# Altium PCB CRD25DA12N-FMC V1.1 (07-2023).PcbDoc (part 7 of 7)
Units mil, origin at the board's own origin, x right, y up, seen from the top; angles counter-clockwise.
Board outline 8000 x 8000 mil, 6 copper layers (Top Layer, Layer 2, Layer 3, Layer 4, Layer 5, Bottom Layer), stack 91 mil thick; 542 components, 315 nets, 1585 pads, 558 vias.
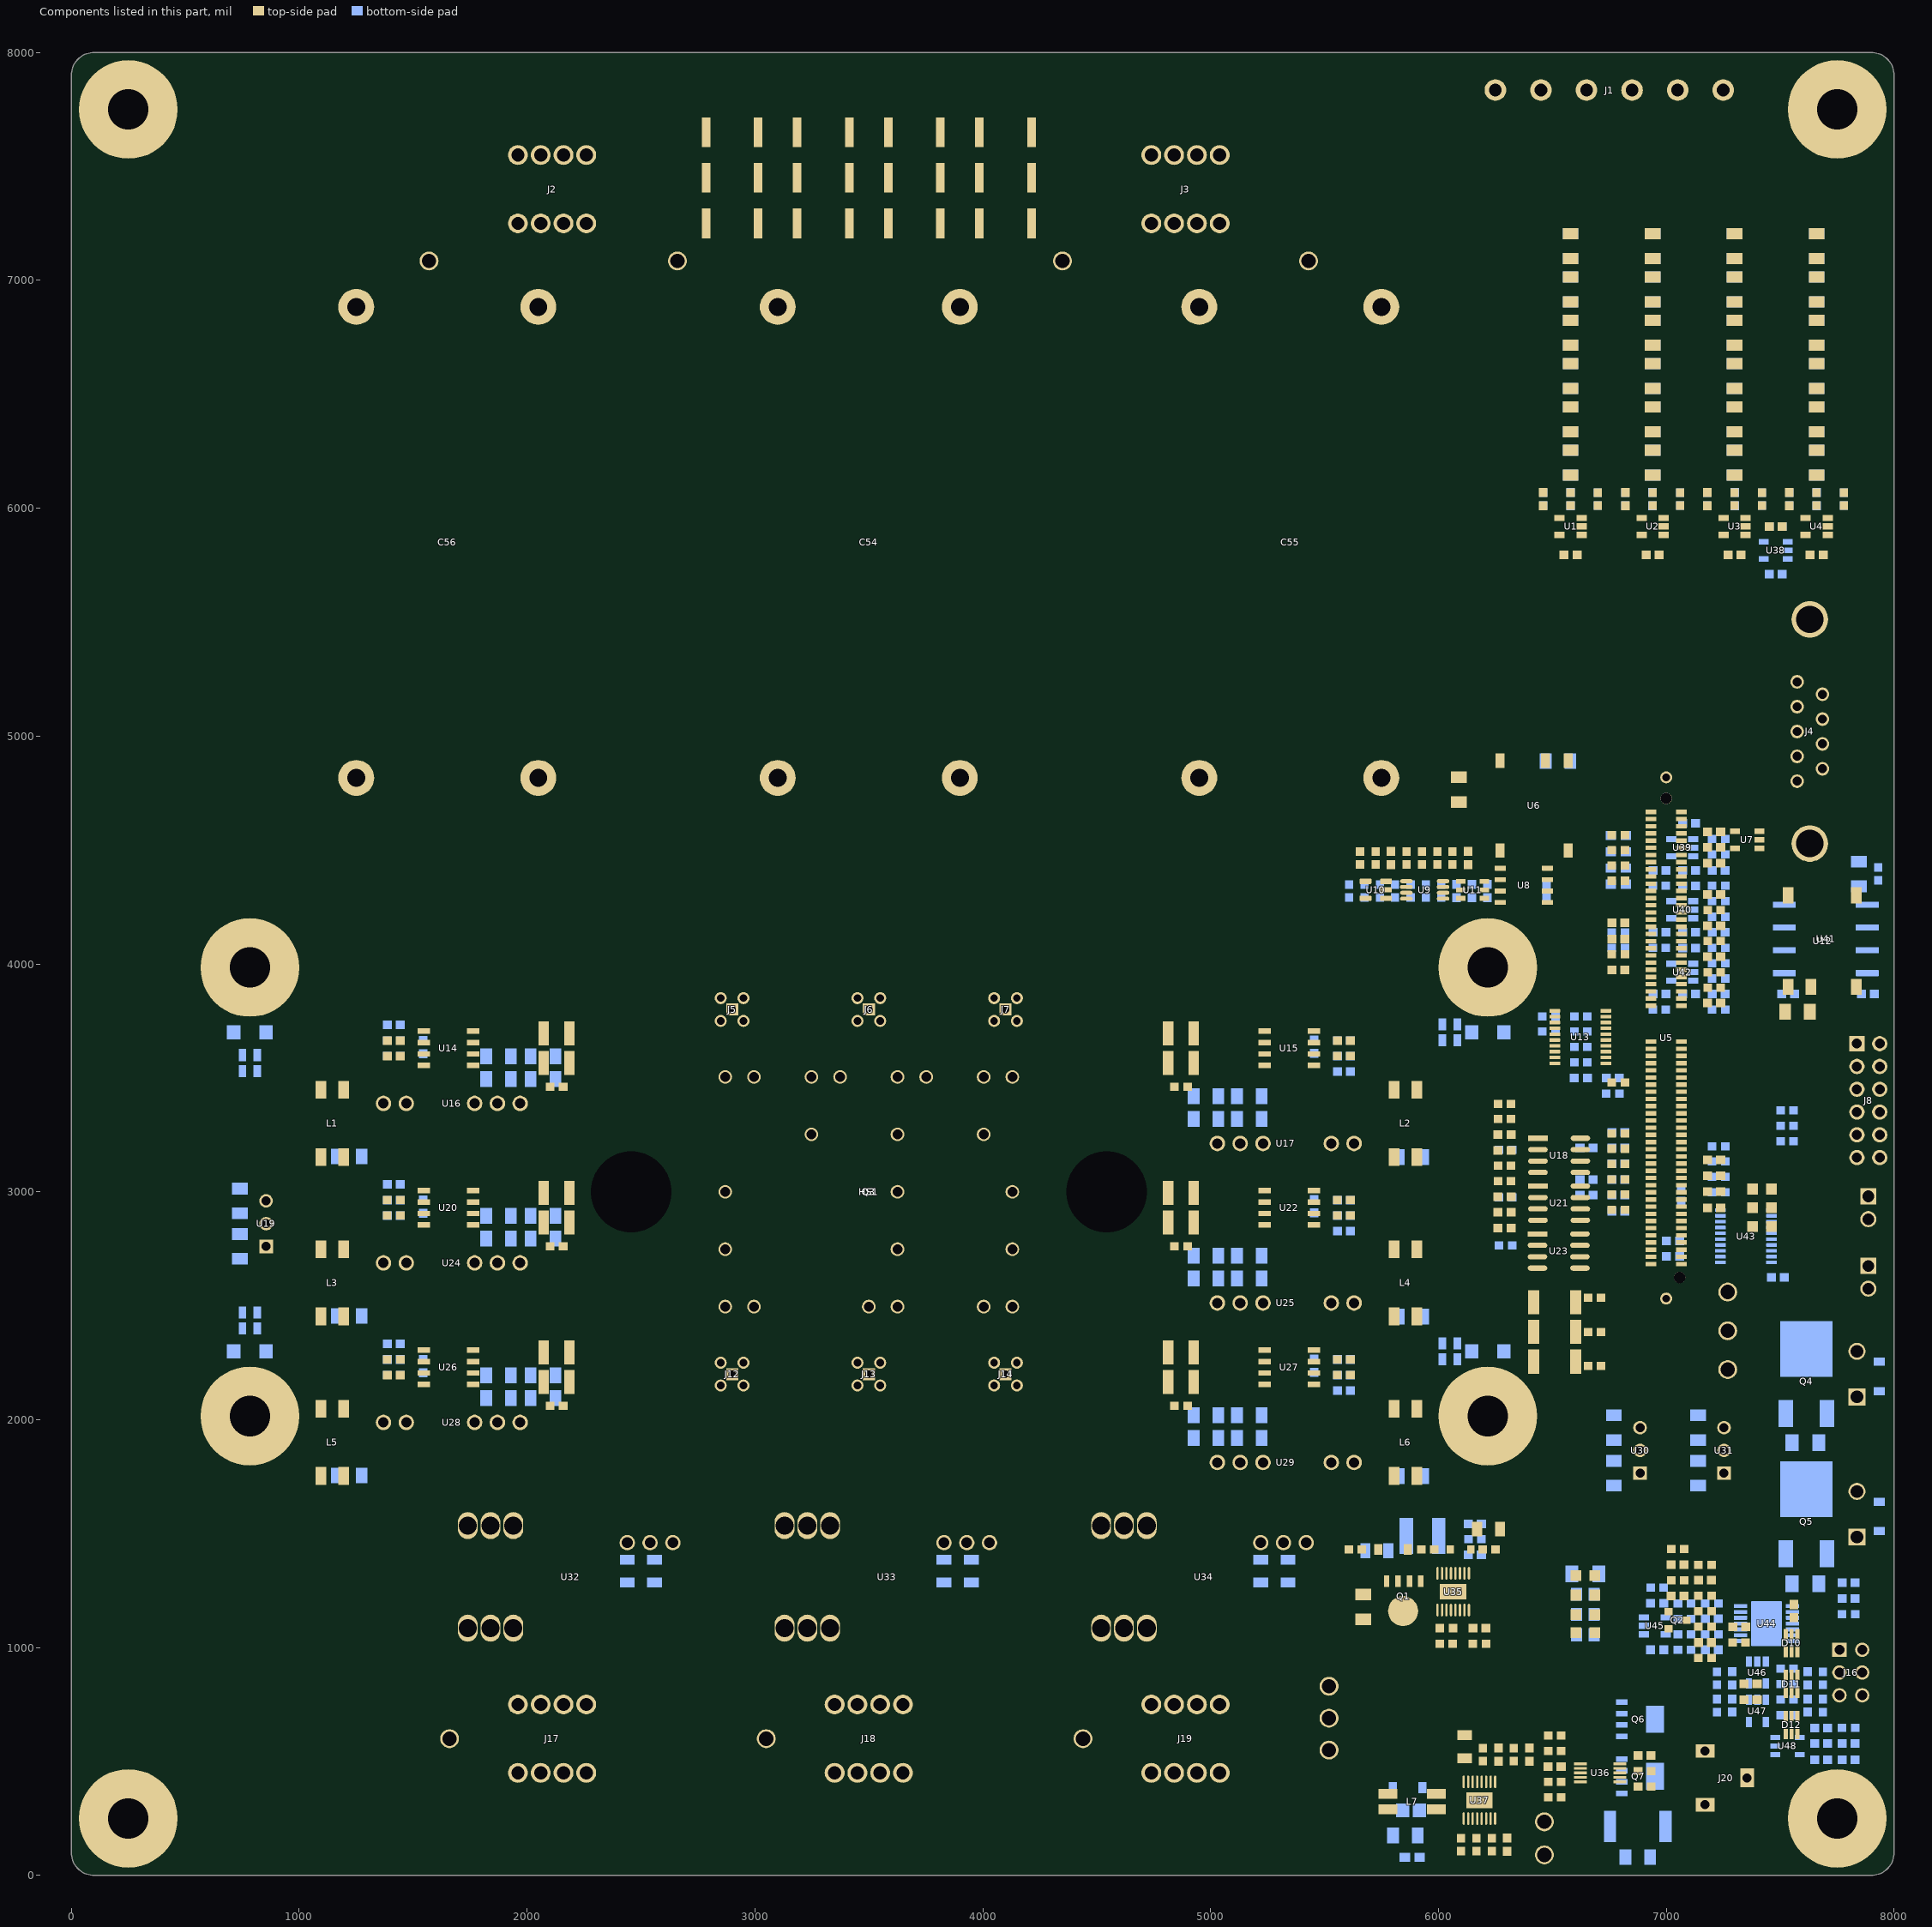
[diagram p11: the components of this part, seen from the top]

## Keep-outs (continued)
Layer 4:
  circle w10: c5040,7550 r200
  circle w10: c4740,7550 r200
  circle w10: c4740,7250 r200
  circle w10: c5040,7250 r200
  circle w10: c2850,3850 r190
  circle w10: c2850,3503.94 r190
  circle w10: c4150,3850 r190
  circle w10: c4150,3503.94 r190
  circle w10: c6065,7280 r192
  circle w10: c5670,4820 r235
  region: 4625,1490 4585,1490 4585,1420 4625,1420
  rectangle: 4265,985 4305,1055
  rectangle: 4535,7262.91 5245,7802.91
  region: 4555,7755 4515,7755 4515,7685 4555,7685
  rectangle: 4735,7044.79 5040,7077.21
  region: 5220,7750 5220,7710 5290,7710 5290,7750
  rectangle: 7724.19,4275 7783.78,4418.29
  region: 1415.31,1894.07 1415.31,1854.07 1485.31,1854.07 1485.31,1894.07
  rectangle: 2541.38,1103.21 2581.38,1173.21
  rectangle: 2800,260 2840,330
  rectangle: 3920,260 3960,330
  rectangle: 3931.38,1103.21 3971.38,1173.21
  rectangle: 4195,255 4235,325
  rectangle: 5317.18,1103.22 5357.18,1173.22
  rectangle: 5305,260 5345,330
  rectangle: 7455.41,5521.71 7515,5665
  rectangle: 7455.79,4364.18 7515.39,4507.46
  rectangle: 7734.19,3725 7793.78,3868.29
  rectangle: 7524,30 7654,255
  rectangle: 7754,331.5 7970,476.5
  rectangle: 7825,40 7960,165
  region: 4890,1395 4850,1395 4850,1325 4890,1325
  region: 4895,990 4895,1030 4825,1030 4825,990
  region: 3570,985 3570,1025 3500,1025 3500,985
  rectangle: 2920,980 2960,1050
  region: 2180,990 2180,1030 2110,1030 2110,990
  rectangle: 1530,985 1570,1055
  region: 1530,1665 1530,1625 1600,1625 1600,1665
  rectangle: 5930,4819.65 6047.21,4990.03
  rectangle: 5670,4965 6260,5060.38
  rectangle: 2656.25,3503.94 4345.42,3875.51
  rectangle: 2850,3310.19 4175.51,4045.42
  rectangle: 2335,3170 2375,3240
  rectangle: 1980,3170 2345,3295
  region: 4545,3165 4545,3205 4475,3205 4475,3165
  rectangle: 4530,3150 4735,3945
  rectangle: 2270.5,3210 2345.5,3845
  region: 5875,7755 5835,7755 5835,7685 5875,7685
  rectangle: 5867.58,7280 6120,7755
  rectangle: 6065,7082.58 6250,7755
  rectangle: 5630,4880 5705,5050.38
  rectangle: 5565,4860 5640,5030.38
  rectangle: 5530,4835 5605,5005.38
  rectangle: 5455,4750 5530,4920.38
  rectangle: 5495,4800 5570,4970.38
  rectangle: 6005,7095 6080,7265.38
  rectangle: 5945,7125 6020,7295.38
  region: 6250,7095 6210,7095 6210,7025 6250,7025
  region: 6255,5050 6255,5090 6185,5090 6185,5050
  rectangle: 5905,7165 5980,7335.38
  region: 4610,4020 4570,4020 4570,3950 4610,3950
  region: 4580,3990 4540,3990 4540,3920 4580,3920
  rectangle: 4659.34,3790 5435,4070.5
  region: 4675,4065 4635,4065 4635,3995 4675,3995
  region: 4635,4045 4595,4045 4595,3975 4635,3975
  rectangle: 1095,3856 2195,3971
  rectangle: 2165,3855 2240,3960
  region: 2290,3930 2215,3930 2215,3825 2290,3825
  region: 2270,3950 2195,3950 2195,3845 2270,3845
  region: 2320,3890 2245,3890 2245,3785 2320,3785
  region: 2310,3910 2235,3910 2235,3805 2310,3805
  region: 730,7745 730,7705 800,7705 800,7745
  rectangle: 5430,3975 5530,4820
  lines w10: 485,1750 ccw(c560,1750) 560,1675 ; 485.01,3653.79 cw(c560,3655) 558.79,3729.99 ; 753.02,4471.01 ccw(c878,4469) 875.99,4344.02 ; 755.02,7597.41 cw(c905,7595) 907.41,7744.98 ; 1147.85,4063.45 ccw(c1270,4090) 1267.99,3965.02 ; 1325,1675 ccw(c1325,1750) 1400,1750 ; 1400,1843.79 cw(c1474.99,1845) 1473.78,1919.99 ; 1503.79,3730.03 cw(c1505,3655.04) 1579.99,3656.25 ; 1506.21,1920.05 ccw(c1505,1995.04) 1579.99,1996.25 ; 1540,1145 ccw(c1690,1145) 1690,995 ; 1540.02,1512.41 cw(c1690,1510) 1692.41,1659.98 ; 1729.2,1969.19 ccw(c1779.2,1969.99) 1780,1920 ; 1729.2,2669.19 ccw(c1779.2,2669.99) 1780,2620 ; 1729.2,3369.19 ccw(c1779.2,3369.99) 1780,3320 ; 1730.01,2334.2 cw(c1780,2335) 1779.2,2384.99 ; 1730.01,3034.2 cw(c1780,3035) 1779.2,3084.99 ; 1730.01,3734.2 cw(c1780,3735) 1779.2,3784.99 ; 2020,995 ccw(c2020,1145) 2170,1145 ; 2124.95,3936.6 cw(c2208,3834) 2268.9,3716.89 ; 2199.2,2384.99 cw(c2200,2335) 2249.99,2335.8 ; 2199.2,3084.99 cw(c2200,3035) 2249.99,3035.8 ; 2199.2,3784.99 cw(c2200,3735) 2249.99,3735.8 ; 2200.8,1920.01 ccw(c2200,1970) 2249.99,1970.8 ; 2200.8,2620.01 ccw(c2200,2670) 2249.99,2670.8 ; 2200.8,3320.01 ccw(c2200,3370) 2249.99,3370.8 ; 2340.02,3332.41 ccw(c2490,3330) 2487.59,3180.02 ; 2380.01,1443.79 cw(c2455,1445) 2453.79,1519.99 ; 2544.2,1184.99 cw(c2545,1135) 2594.99,1135.8 ; 2595.01,118.79 ccw(c2670,120) 2671.21,45.01 ; 2703.79,1519.99 cw(c2705,1445) 2779.99,1446.21 ; 2780.01,313.79 ccw(c2855,315) 2856.21,240.01 ; 2858.39,2640 ccw(c2860,2739.99) 2959.99,2738.38 ; 2861.61,2849.99 cw(c2860,2750) 2959.99,2748.39 ; 2930,1145 ccw(c3080,1145) 3080,995 ; 3410,995 ccw(c3410,1145) 3560,1145 ; 3614.3,2640 ccw(c3615.91,2739.99) 3715.89,2738.38 ; 3617.51,2849.99 cw(c3615.91,2750) 3715.89,2748.39 ; 3770.01,1443.79 cw(c3845,1445) 3843.79,1519.99 ; 3911.21,240.01 ccw(c3910,315) 3984.99,316.21 ; 3934.2,1184.99 cw(c3935,1135) 3984.99,1135.8 ; 4041.62,2741.6 ccw(c4141.61,2739.99) 4140,2640 ; 4041.62,2751.62 cw(c4141.61,2750.01) 4143.22,2850 ; 4093.79,1519.99 cw(c4095,1445) 4169.99,1446.21 ; 4170.01,313.79 ccw(c4245,315) 4246.21,240.01 ; 4275,1145 ccw(c4425,1145) 4425,995 ; 4382.59,3180.02 ccw(c4385,3330) 4534.98,3327.59 ; 4394.41,7744.98 cw(c4392,7595) 4541.98,7592.59 ; 4535,1535 ccw(c4685,1535) 4685,1385 ; 4535.02,3942.03 cw(c4660,3940.02) 4662.01,4065 ; 4735,995 ccw(c4735,1145) 4885,1145 ; 4735,1385 cw(c4735,1235) 4885,1235 ; 4739.2,2325.81 cw(c4789.2,2325.01) 4790,2375 ; 4739.2,3025.81 cw(c4789.2,3025.01) 4790,3075 ; 4739.2,3725.81 cw(c4789.2,3725.01) 4790,3775 ; 4740.81,1820.8 ccw(c4790.8,1819.99) 4790,1770 ; 4740.81,2520.8 ccw(c4790.8,2519.99) 4790,2470 ; 4740.81,3220.8 ccw(c4790.8,3219.99) 4790,3170 ; 5104.2,2375.01 cw(c5104.2,2325.01) 5151.18,2342.11 ; 5104.2,3075.01 cw(c5104.2,3025.01) 5151.18,3042.11 ; 5104.2,3775.01 cw(c5104.2,3725.01) 5151.18,3742.11 ; 5160.01,1443.79 cw(c5235,1445) 5233.79,1519.99 ; 5220,1770 ccw(c5220.8,1819.99) 5270.8,1819.19 ; 5220,2470 ccw(c5220.8,2519.99) 5270.8,2519.19 ; 5220,3170 ccw(c5220.8,3219.99) 5270.8,3219.19 ; 5232.94,2313.3 cw(c5220,2265) 5270,2265 ; 5232.94,3013.3 cw(c5220,2965) 5270,2965 ; 5232.94,3713.3 cw(c5220,3665) 5270,3665 ; 5240.02,7597.41 cw(c5390,7595) 5392.41,7744.98 ; 5296.21,240.01 ccw(c5295,315) 5369.99,316.21 ; 5307.99,4065.02 ccw(c5310,4190) 5434.98,4187.99 ; 5320,1185 cw(c5320.8,1135.01) 5370.8,1135.81 ; 5320.81,1519.2 ccw(c5320.01,1569.2) 5370,1570 ; 5370,1575 cw(c5419.99,1575.8) 5419.19,1625.8 ; 5420.01,1733.79 ccw(c5495,1735) 5496.21,1660.01 ; 5420.01,3693.79 cw(c5495,3695) 5493.79,3769.99 ; 5580.01,4280.8 ccw(c5630,4279.99) 5629.2,4230 ; 5580.01,4475.8 cw(c5630,4475) 5630.8,4524.99 ; 5724.41,7744.98 cw(c5722,7595) 5871.98,7592.59 ; 5873.79,1624.99 cw(c5875,1550) 5949.99,1551.21 ; 5876.21,45.01 ccw(c5875,120) 5949.99,121.21 ; 5965.01,118.79 ccw(c6040,120) 6041.21,45.01 ; 5965.01,1548.79 cw(c6040,1550) 6038.79,1624.99 ; 6000,4524.53 ccw(c6000.8,4574.52) 6050.8,4573.71 ; 6050.01,4880.8 cw(c6100,4880) 6100.8,4929.99 ; 6088.79,3769.99 cw(c6090,3695) 6164.99,3696.21 ; 6091.21,1660.01 ccw(c6090,1735) 6164.99,1736.21 ; 6092.59,5055.02 ccw(c6095,5205) 6244.98,5202.59 ; 6097.41,7086.98 cw(c6095,6937) 6244.98,6934.59 ; 6111.21,1625.01 ccw(c6110,1700) 6184.99,1701.21 ; 6185.01,2308.79 ccw(c6260,2310) 6261.21,2235.01 ; 6185.01,3693.79 cw(c6260,3695) 6258.79,3769.99 ; 6186.22,1723.8 cw(c6261.21,1725.01) 6260,1800 ; 6249.2,4230.01 ccw(c6250,4280) 6299.99,4279.2 ; 6250.8,4929.99 cw(c6250,4880) 6299.99,4879.2 ; 6331.21,3770.01 ccw(c6330,3845) 6404.99,3846.21 ; 6405.01,6103.79 cw(c6480,6105) 6478.79,6179.99 ; 6531.21,45.01 ccw(c6530,120) 6604.99,121.21 ; 6605.01,118.79 ccw(c6680,120) 6681.21,45.01 ; 6605,530 cw(c6680,530) 6680,605 ; 7315,605 cw(c7315,530) 7390,530 ; 7316.21,45.01 ccw(c7315,120) 7389.99,121.21 ccw(c7464.98,122.41) 7466.19,47.42 ; 7335,1945 ccw(c7360,1945) 7360,1920 ; 7335,1970 cw(c7360,1970) 7360,1995 ; 7420,580 ccw(c7445,580) 7445,555 ; 7420,685 cw(c7445,685) 7445,710 ; 7435.01,4418.79 ccw(c7510,4420) 7511.21,4345.01 ; 7435.01,5608.79 cw(c7510,5610) 7508.79,5684.99 ; 7456.21,47.42 ccw(c7455,122.41) 7529.99,123.62 ; 7500,710 ccw(c7500,735) 7525,735 ; 7500,1920 cw(c7500,1895) 7525,1895 ; 7535.01,4686.79 ccw(c7610,4688) 7611.21,4613.01 ; 7535.01,5351.79 cw(c7610,5353) 7608.79,5427.99 ; 7545,1995 cw(c7545,1970) 7570,1970 ; 7570,650 ccw(c7595,650) 7595,625 ; 7605,555 ccw(c7605,580) 7630,580 ; 7605,625 cw(c7605,600) 7630,600 ; 7633.79,4344.99 cw(c7635,4270) 7709.99,4271.21 ; 7710.01,3778.79 ccw(c7785,3780) 7786.21,3705.01 ; 7710.01,4491.12 ccw(c7765,4492) 7765.88,4437.01 ; 7715.01,5523.79 cw(c7790,5525) 7788.79,5599.99 ; 7749.12,4439.99 cw(c7750,4385) 7804.99,4385.88 ; 7805.01,3889.2 ccw(c7855,3890) 7855.8,3840.01 ; 7878.79,5599.99 cw(c7880,5525) 7954.99,5526.21 ; 7878.79,6179.99 cw(c7880,6105) 7954.99,6106.21 ; 7881.21,469.93 ccw(c7880,544.92) 7954.99,546.13 ; 7881.21,5685.01 ccw(c7880,5760) 7954.99,5761.21 ; 7883.79,3704.99 cw(c7885,3630) 7959.99,3631.21 ; 7905.81,3839.2 ccw(c7905.01,3889.2) 7955,3890
Layer 5:
  circle w10: c1960,7550 r200
  circle w10: c1960,7250 r200
  circle w10: c2260,7550 r200
  circle w10: c2260,7250 r200
  circle w10: c2850,3850 r190
  circle w10: c2850,3503.94 r190
  circle w10: c4150,3503.94 r190
  circle w10: c4150,3850 r190
  circle w10: c6065,7280 r192
  rectangle: 1625,3460 1725,3808.71
  region: 1132.42,4041.06 1072.42,4041.06 1072.42,3826.06 1132.42,3826.06
  region: 1843.21,6875 1843.21,7180 1810.79,7180 1810.79,6875
  region: 2289.21,6875 2289.21,7180 2256.79,7180 2256.79,6875
  region: 1601.27,6999.57 1359.3,6813.89 1428.03,6724.33 1670,6910
  region: 1445.61,7242.78 1171.71,7108.6 1221.38,7007.22 1495.28,7141.4
  rectangle: 3237.88,3061.97 4005,3330
  rectangle: 1755,7262.91 2465,7802.91
  region: 1775,7755 1735,7755 1735,7685 1775,7685
  region: 2440,7750 2440,7710 2510,7710 2510,7750
  rectangle: 1955,7044.79 2260,7077.21
  rectangle: 7734.19,3725 7793.78,3868.29
  rectangle: 7455.79,4364.18 7515.39,4507.46
  region: 1415.31,1894.07 1415.31,1854.07 1485.31,1854.07 1485.31,1894.07
  rectangle: 5317.18,1103.22 5357.18,1173.22
  rectangle: 5365,1545 5405,1615
  rectangle: 5305,260 5345,330
  rectangle: 4195,255 4235,325
  rectangle: 7455.41,5521.71 7515,5665
  rectangle: 7724.19,4275 7783.78,4418.29
  rectangle: 2541.38,1103.21 2581.38,1173.21
  rectangle: 3931.38,1103.21 3971.38,1173.21
  rectangle: 2800,260 2840,330
  rectangle: 3920,260 3960,330
  rectangle: 5990,3975 6080,4120
  rectangle: 7524,30 7654,255
  rectangle: 7754,331.5 7970,476.5
  rectangle: 7825,40 7960,165
  region: 4310,1625 4310,1585 4380,1585 4380,1625
  region: 4955,1630 4915,1630 4915,1560 4955,1560
  rectangle: 4315,325 4355,395
  region: 5250,330 5250,370 5180,370 5180,330
  region: 2920,1630 2920,1590 2990,1590 2990,1630
  region: 3565,1635 3525,1635 3525,1565 3565,1565
  rectangle: 2925,325 2965,395
  region: 3860,330 3860,370 3790,370 3790,330
  region: 2470,330 2470,370 2400,370 2400,330
  rectangle: 1535,325 1575,395
  region: 2175,1635 2135,1635 2135,1565 2175,1565
  region: 1530,1630 1530,1590 1600,1590 1600,1630
  rectangle: 5342.08,3758.41 5401.67,3901.7
  rectangle: 5260.61,3920 5485,3995
  rectangle: 5385.61,4025 5580,4078.37
  rectangle: 5445.61,4060 5635,4113.37
  rectangle: 5360,3835 5429.94,4055
  rectangle: 5415,4105 5550,4125
  rectangle: 5380,3985 5545,4088.29
  rectangle: 5304.19,3670 5363.78,3813.29
  rectangle: 2656.25,3503.94 4345.42,3875.51
  rectangle: 2850,3310.19 4175.51,4045.42
  region: 730,7745 730,7705 800,7705 800,7745
  rectangle: 2270.5,3225 2345.5,3845
  region: 2320,3890 2245,3890 2245,3785 2320,3785
  region: 2270,3950 2195,3950 2195,3845 2270,3845
  rectangle: 1095,3856 2195,3971
  region: 2310,3910 2235,3910 2235,3805 2310,3805
  region: 2290,3930 2215,3930 2215,3825 2290,3825
  rectangle: 2165,3855 2240,3960
  region: 875,4325 705,4325 705,4255 875,4255
  region: 980,4275 810,4275 810,4205 980,4205
  region: 1110,4115 1050,4115 1050,3900 1110,3900
  region: 1060,4200 1000,4200 1000,3985 1060,3985
  region: 1000,4255 940,4255 940,4155 1000,4155
  rectangle: 1150,3800 1725,3894.7
  rectangle: 1780,3090 2345,3295
  region: 5875,7755 5835,7755 5835,7685 5875,7685
  rectangle: 5867.58,7280 6120,7755
  rectangle: 6065,7082.58 6250,7755
  rectangle: 5945,7125 6020,7295.38
  rectangle: 5905,7165 5980,7335.38
  rectangle: 6005,7095 6080,7265.38
  region: 6250,7095 6210,7095 6210,7025 6250,7025
  rectangle: 2755,3340 2855,3465
  rectangle: 2675,3430 2775,3555
  rectangle: 2705,3380 2805,3505
  region: 2736.06,4000.08 2736.06,3900.08 2861.06,3900.08 2861.06,4000.08
  region: 2786.06,4030.08 2786.06,3930.08 2911.06,3930.08 2911.06,4030.08
  region: 2696.06,3950.08 2696.06,3850.08 2821.06,3850.08 2821.06,3950.08
  region: 4295,3505 4195,3505 4195,3380 4295,3380
  region: 4325,3555 4225,3555 4225,3430 4325,3430
  region: 4245,3465 4145,3465 4145,3340 4245,3340
  region: 4178.94,3950.08 4178.94,3850.08 4303.94,3850.08 4303.94,3950.08
  region: 4088.94,4030.08 4088.94,3930.08 4213.94,3930.08 4213.94,4030.08
  region: 4138.94,4000.08 4138.94,3900.08 4263.94,3900.08 4263.94,4000.08
  rectangle: 2335,3170 2375,3240
  rectangle: 2270,2870 2340,3122.06
  rectangle: 5590,4537.97 6040,4680
  rectangle: 5650,4132.97 6070,4215
  rectangle: 5895,4568.58 6044.8,4925
  rectangle: 6060,4933.58 6390,5085
  rectangle: 5425,4120 5568.9,4520
  rectangle: 5545,4115 5810,4185
  rectangle: 5925,4930 6345,5007.03
  rectangle: 5445,4497.97 5540,4580
  rectangle: 5997.36,4986.83 6390,5063.86
  rectangle: 5476.9,4548.76 5571.9,4630.79
  rectangle: 5530,4582.97 5625,4665
  rectangle: 5850,4645 5920,4722.03
  rectangle: 6190,5050 6260,5127.03
  rectangle: 4530,3070 4745,3945
  region: 4580,3990 4540,3990 4540,3920 4580,3920
  region: 4610,4020 4570,4020 4570,3950 4610,3950
  region: 4635,4045 4595,4045 4595,3975 4635,3975
  region: 4675,4065 4635,4065 4635,3995 4675,3995
  rectangle: 4659.34,3790 5370,4070.5
  lines w10: 433.64,3984.25 cw(c783.46,3984.25) 1133.29,3984.25 ; 485,1750 ccw(c560,1750) 560,1675 ; 485.01,3653.79 cw(c560,3655) 558.79,3729.99 ; 755.02,4450.01 ccw(c880,4448) 877.99,4323.02 ; 755.02,7597.41 cw(c905,7595) 907.41,7744.98 ; 1122.85,4063.45 ccw(c1245,4090) 1242.99,3965.02 ; 1325,1675 ccw(c1325,1750) 1400,1750 ; 1400,1843.79 cw(c1474.99,1845) 1473.78,1919.99 ; 1502.78,3729.23 cw(c1503.99,3654.24) 1578.98,3655.45 ; 1505.19,1919.25 ccw(c1503.99,1994.24) 1578.98,1995.45 ; 1540.02,487.41 ccw(c1690,485) 1687.59,335.02 ; 1540.02,1477.41 cw(c1690,1475) 1692.41,1624.98 ; 1614.41,7744.98 cw(c1612,7595) 1761.98,7592.59 ; 1730,2167 ccw(c1780,2167) 1762.9,2120.02 ; 1730,2265 cw(c1780,2265) 1780,2315 1805,2315 ; 1730,2867 ccw(c1780,2867) 1762.9,2820.02 ; 1730,2965 cw(c1780,2965) 1780,3015 1805,3015 ; 1730,3567 ccw(c1780,3567) 1762.9,3520.02 ; 1730,3665 cw(c1780,3665) 1780,3715 1805,3715 ; 1781.32,2069.24 ccw(c1828.3,2052.14) 1790,2020 ; 1781.32,2769.24 ccw(c1828.3,2752.14) 1790,2720 ; 1781.32,3469.24 ccw(c1828.3,3452.14) 1790,3420 ; 1804.2,1969.19 ccw(c1854.2,1969.99) 1855,1920 ; 1804.2,2669.19 ccw(c1854.2,2669.99) 1855,2620 ; 1804.2,3369.19 ccw(c1854.2,3369.99) 1855,3320 ; 1849.01,2334.2 cw(c1899,2335) 1898.2,2384.99 ; 1849.01,3034.2 cw(c1899,3035) 1898.2,3084.99 ; 1849.01,3734.2 cw(c1899,3735) 1898.2,3784.99 ; 2022.41,1624.98 cw(c2020,1475) 2169.98,1472.59 ; 2124.95,3936.6 cw(c2208,3834) 2268.9,3716.89 ; 2199.2,2384.99 cw(c2200,2335) 2249.99,2335.8 ; 2199.2,3084.99 cw(c2200,3035) 2249.99,3035.8 ; 2199.2,3784.99 cw(c2200,3735) 2249.99,3735.8 ; 2200.8,1920.01 ccw(c2200,1970) 2249.99,1970.8 ; 2200.8,2620.01 ccw(c2200,2670) 2249.99,2670.8 ; 2200.8,3320.01 ccw(c2200,3370) 2249.99,3370.8 ; 2285,6947 cw(c2435,6947) 2360,7076.9 ; 2307.59,335.02 ccw(c2310,485) 2459.98,482.59 ; 2340.02,3332.41 ccw(c2490,3330) 2487.59,3180.02 ; 2380.01,1443.79 cw(c2455,1445) 2453.79,1519.99 ; 2460.02,7597.41 cw(c2610,7595) 2612.41,7744.98 ; 2544.2,1184.99 cw(c2545,1135) 2594.99,1135.8 ; 2595.01,118.79 ccw(c2670,120) 2671.21,45.01 ; 2633.02,3052.01 ccw(c2758,3050) 2755.99,2925.02 ; 2703.79,1519.99 cw(c2705,1445) 2779.99,1446.21 ; 2780.01,313.79 ccw(c2855,315) 2856.21,240.01 ; 2930.02,487.41 ccw(c3080,485) 3077.59,335.02 ; 2930.02,1477.41 cw(c3080,1475) 3082.41,1624.98 ; 2986.79,3315.99 cw(c2988,3241) 3062.99,3242.21 ; 3412.41,1624.98 cw(c3410,1475) 3559.98,1472.59 ; 3697.59,335.02 ccw(c3700,485) 3849.98,482.59 ; 3770.01,1443.79 cw(c3845,1445) 3843.79,1519.99 ; 3911.21,240.01 ccw(c3910,315) 3984.99,316.21 ; 3934.2,1184.99 cw(c3935,1135) 3984.99,1135.8 ; 4093.79,1519.99 cw(c4095,1445) 4169.99,1446.21 ; 4170.01,313.79 ccw(c4245,315) 4246.21,240.01 ; 4189,3265 cw(c4264,3265) 4238.35,3335.48 ; 4244.01,2925.02 ccw(c4242,3050) 4366.98,3052.01 ; 4320.02,487.41 ccw(c4470,485) 4467.59,335.02 ; 4320.02,1472.41 cw(c4470,1470) 4472.41,1619.98 ; 4455,3159.32 ccw(c4410.15,3276) 4535.13,3273.99 ; 4535.02,3942.03 cw(c4660,3940.02) 4662.01,4065 ; 4739.2,2325.81 cw(c4789.2,2325.01) 4790,2375 ; 4739.2,3025.81 cw(c4789.2,3025.01) 4790,3075 ; 4740,3725 cw(c4790,3725) 4790,3775 ; 4740.81,1820.8 ccw(c4790.8,1819.99) 4790,1770 ; 4740.81,2520.8 ccw(c4790.8,2519.99) 4790,2470 ; 4740.81,3220.8 ccw(c4790.8,3219.99) 4790,3170 ; 4802.41,1619.98 cw(c4800,1470) 4949.98,1467.59 ; 5087.59,335.02 ccw(c5090,485) 5239.98,482.59 ; 5104.2,2375.01 cw(c5104.2,2325.01) 5151.18,2342.11 ; 5104.2,3075.01 cw(c5104.2,3025.01) 5151.18,3042.11 ; 5104.2,3775.01 cw(c5104.2,3725.01) 5151.18,3742.11 ; 5160.01,1443.79 cw(c5235,1445) 5233.79,1519.99 ; 5220,1770 ccw(c5220.8,1819.99) 5270.8,1819.19 ; 5220,2470 ccw(c5220.8,2519.99) 5270.8,2519.19 ; 5220,3170 ccw(c5220.8,3219.99) 5270.8,3219.19 ; 5232.94,2313.3 cw(c5220,2265) 5270,2265 ; 5232.94,3013.3 cw(c5220,2965) 5270,2965 ; 5232.94,3713.3 cw(c5220,3665) 5270,3665 ; 5296.21,240.01 ccw(c5295,315) 5369.99,316.21 ; 5307.99,4065.02 ccw(c5310,4190) 5434.98,4187.99 ; 5320,1185 cw(c5320.8,1135.01) 5370.8,1135.81 ; 5345,1520 ccw(c5343.79,1594.99) 5418.78,1596.2 ; 5418.62,3711.49 cw(c5818.56,3705.05) 5825,4105 ; 5430.02,4517.57 cw(c5590,4515) 5592.57,4674.98 ; 5580.01,4280.8 ccw(c5630,4279.99) 5629.2,4230 ; 5580.01,4475.8 cw(c5630,4475) 5630.8,4524.99 ; 5724.41,7744.98 cw(c5722,7595) 5871.98,7592.59 ; 5747.59,4675.02 ccw(c5750,4825) 5899.98,4822.59 ; 5900.02,4922.59 cw(c6060,4920.02) 6062.57,5080 ; 5918.79,4104.99 cw(c5920,4030) 5994.99,4031.21 ; 6000,4524.53 ccw(c6000.8,4574.52) 6050.8,4573.71 ; 6050.01,4880.8 cw(c6100,4880) 6100.8,4929.99 ; 6089.59,5080.02 ccw(c6092,5230) 6241.98,5227.59 ; 6097.41,7086.98 cw(c6095,6937) 6244.98,6934.59 ; 6249.2,4230.01 ccw(c6250,4280) 6299.99,4279.2 ; 6250.8,4929.99 cw(c6250,4880) 6299.99,4879.2 ; 6405.01,6103.79 cw(c6480,6105) 6478.79,6179.99 ; 7435.01,4418.79 ccw(c7510,4420) 7511.21,4345.01 ; 7435.01,5608.79 cw(c7510,5610) 7508.79,5684.99 ; 7456.21,45.01 ccw(c7455,120) 7529.99,121.21 ; 7535.01,4513.79 ccw(c7610,4515) 7611.21,4440.01 ; 7535.01,5523.79 cw(c7610,5525) 7608.79,5599.99 ; 7633.8,4343.78 cw(c7635.01,4268.79) 7710,4270 ; 7710.01,3778.79 ccw(c7785,3780) 7786.21,3705.01 ; 7728.79,4439.99 cw(c7730,4365) 7804.99,4366.21 ; 7805.01,3889.2 ccw(c7855,3890) 7855.8,3840.01 ; 7878.79,5599.99 cw(c7880,5525) 7954.99,5526.21 ; 7878.79,6179.99 cw(c7880,6105) 7954.99,6106.21 ; 7881.21,470.01 ccw(c7880,545) 7954.99,546.21 ; 7881.21,5685.01 ccw(c7880,5760) 7954.99,5761.21 ; 7883.79,3704.99 cw(c7885,3630) 7959.99,3631.21 ; 7905.81,3839.2 ccw(c7905.01,3889.2) 7955,3890
Bottom Layer:
  circle w10: c5040,7550 r200
  circle w10: c5040,7250 r200
  circle w10: c4740,7250 r200
  circle w10: c4740,7550 r200
  circle w10: c6065,7280 r192
  circle w10: c2850,3850 r190
  circle w10: c4150,3850 r190
  circle w10: c2850,3503.94 r190
  circle w10: c4150,3503.94 r190
  circle w10: c5670,4820 r235
  region: 4625,1490 4585,1490 4585,1420 4625,1420
  rectangle: 4659.34,3790 5435,4070.5
  rectangle: 4530,3150 4745,3945
  region: 3570,990 3570,1030 3500,1030 3500,990
  rectangle: 2923.73,985.09 2963.73,1055.09
  region: 5220,7750 5220,7710 5290,7710 5290,7750